# Altium PCB PCB1.PcbDoc (part 4 of 6)
Units mm, origin at the board's own origin, x right, y up, seen from the top; angles counter-clockwise.
Board outline 152.4 x 101.6 mm, 8 copper layers (L1-CU, GND, L3-CU-PWR, L4-CU, L5-CU-GND, L6-CU, L7-CU-GND, L8-CU), stack 1.524 mm thick; 274 components, 255 nets, 1291 pads, 685 vias.
Unrouted connection lines stored in the file: 236.
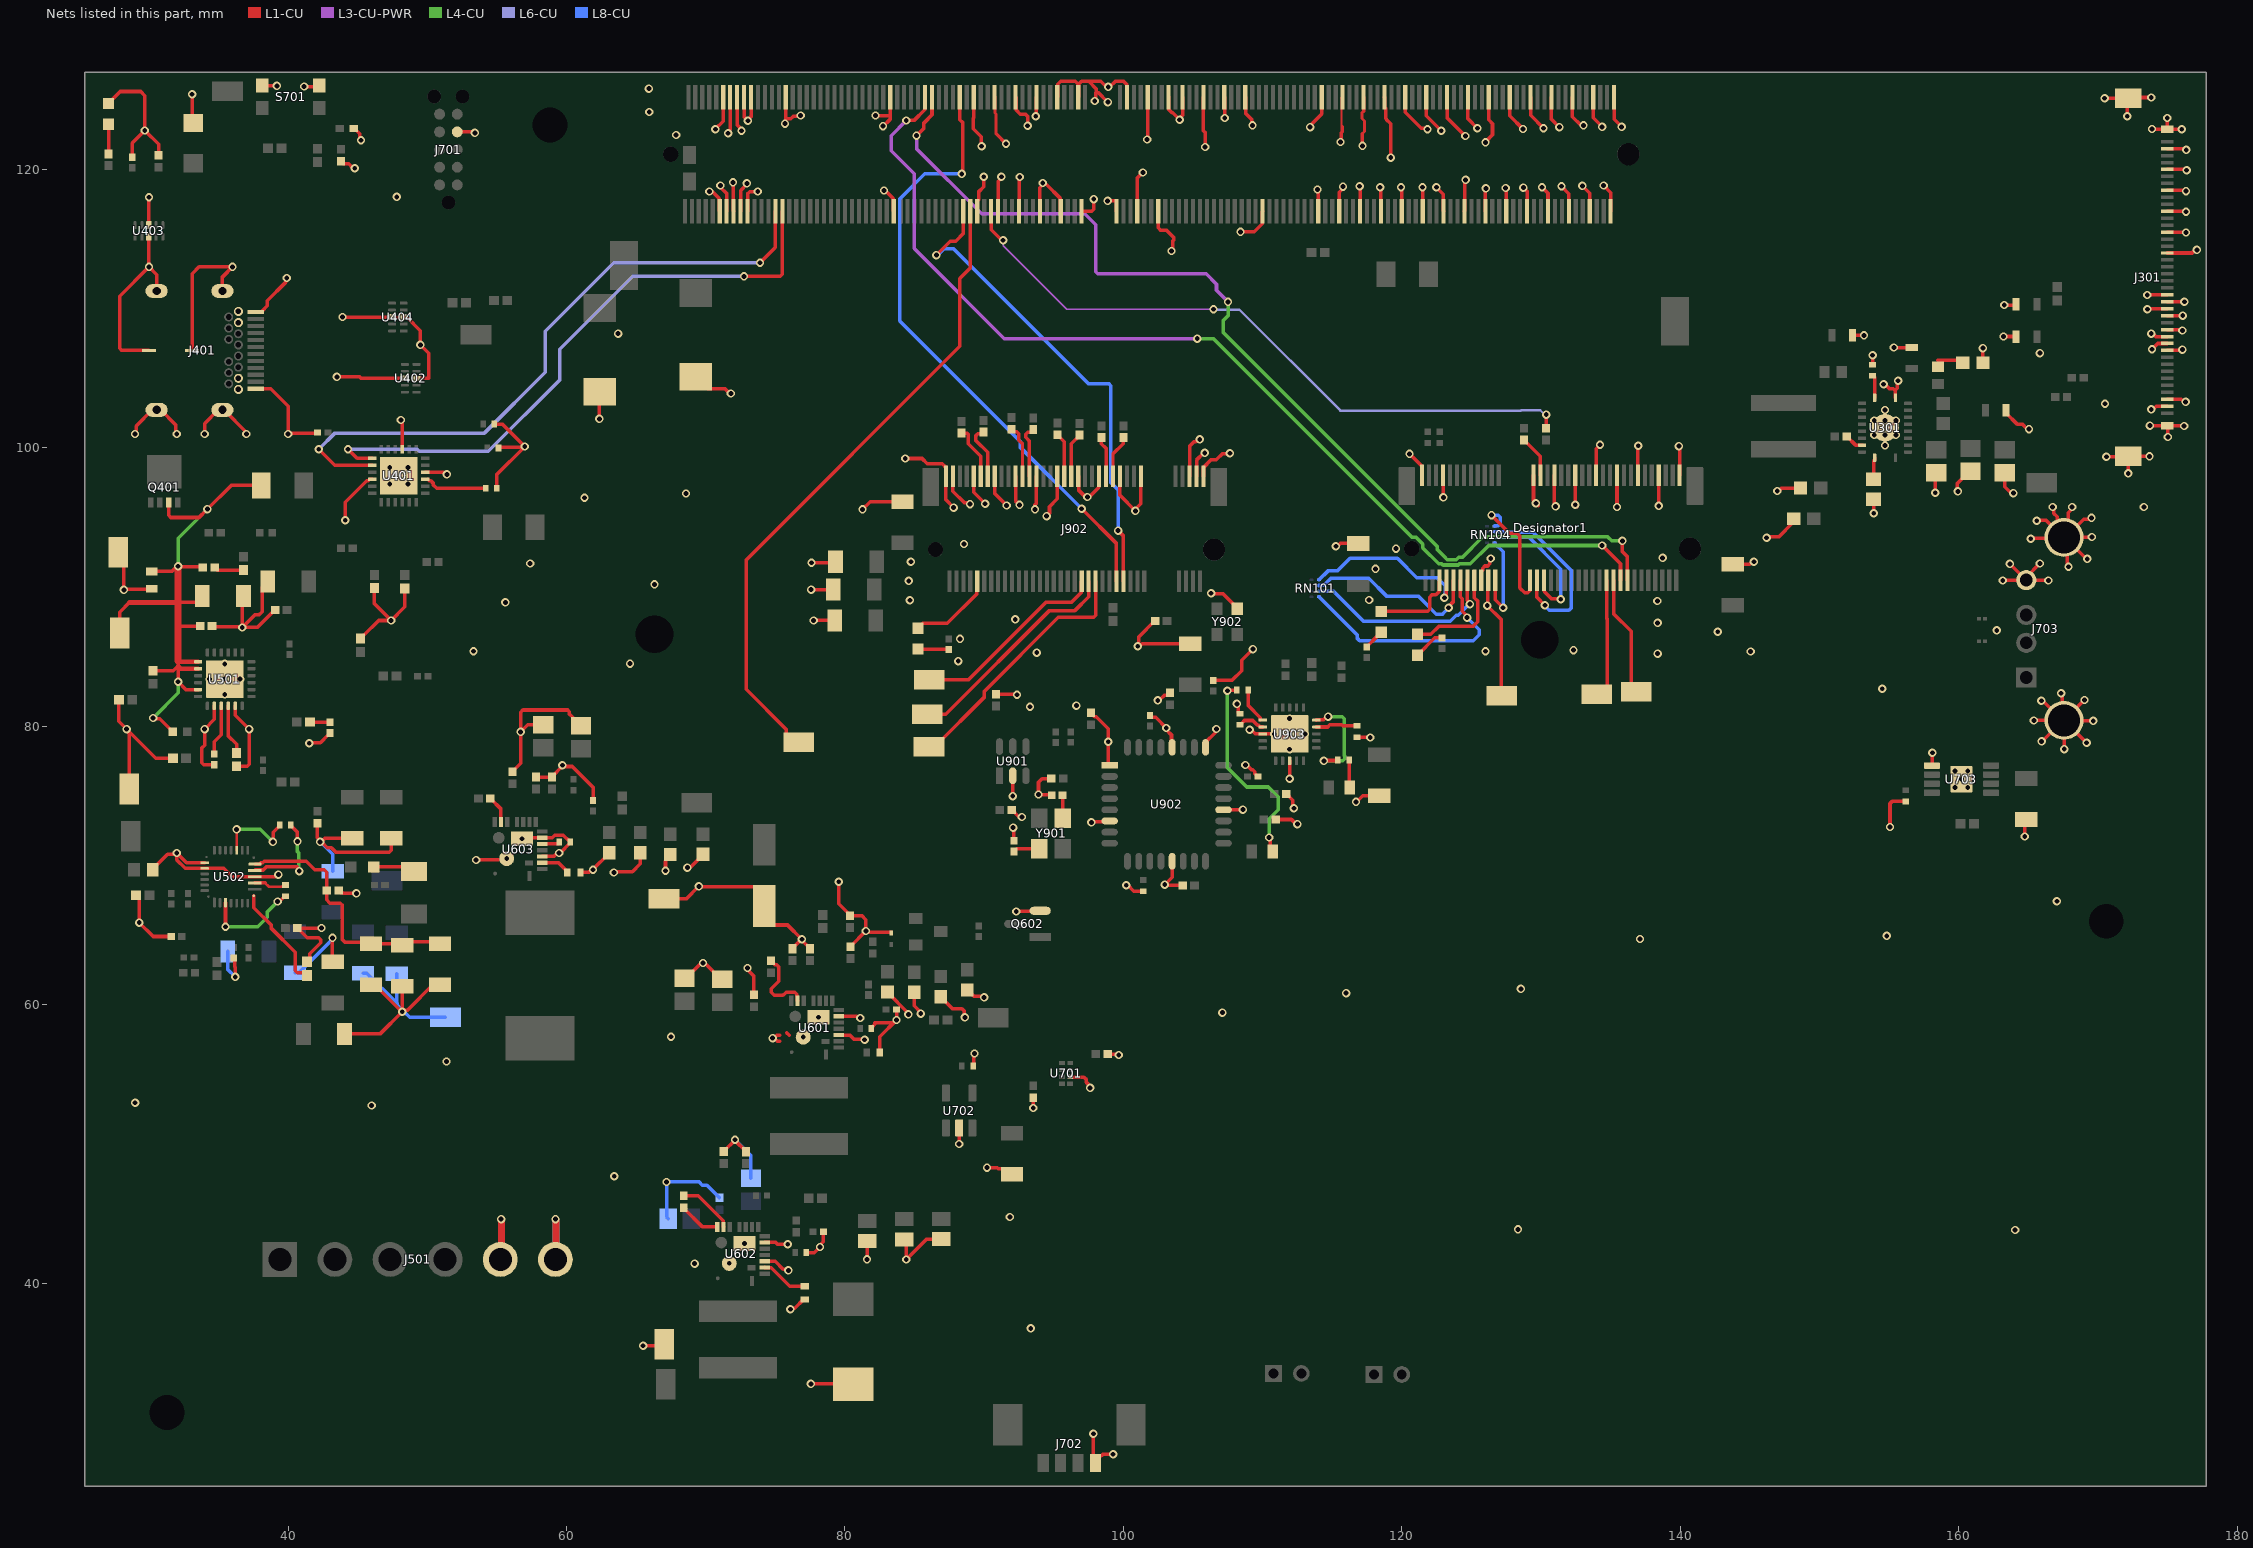
[diagram p10: the nets of this part, all layers, seen from the top]

## Via types
v1: diameter 0.6, hole 0.35, L1-CU to L8-CU, 685 vias

## Nets (pads, with @x,y where several pads share a name; then routed paths per layer and width w, separated by ;. In a path a pad name is that pad's centre, name@x,y a point inside that pad or via, vN(x,y) a via of type N, cw(c..) or ccw(c..) an arc to the next point about the centre after c; other vN are vias at no path point) (continued)
GND: C1.2 C2.2 C101.1 C104.2 C105.2 C114.2 C115.2 C116.2 C117.2 C198.2 C301.2 C302.2 C304.2 C305.1 C306.2 C307.2 C308.2 C309.2 C401.2 C402.2 C403.2 C405.2 C406.2 C501.2 C502.2 C503.2 C504.2 C505.2 C506.1 C507.2 C508.1 C509.2 C510.2 C513.1 C514.2 C515.2 C516.2 C517.2 C518.2 C519.2 C520.2 C521.2 C522.2 C523.2 C524.2 C525.2 C601.2 C602.2 C603.2 C604.2 C605.2 C606.2 C608.2 C609.2 C610.2 C611.2 C612.2 C613.2 C614.2 C615.2 C616.2 C617.2 C618.2 C619.2 C620.2 C621.2 C625.2 C626.2 C627.2 C628.2 C629.2 C630.2 C632.2 C633.1 C703.2 C706.1 C707.1 C708.2 C709.2 C710.2 C711.2 C901.2 C902.2 C903.2 C904.2 C905.2 C906.2 C907.2 C908.2 C909.2 C910.2 C913.1 C914.1 C919.2 C920.2 D40\2.2 D401.2 D402.1 D601.2 D701.2 Designator1.1 Designator1.7 Designator1.18 Designator1.33 Designator1.39 Designator1.45 Designator1.51 Designator1.57 Designator1.63 Designator1.69 Designator1.75 Designator5.1 J201.1 J301.2 J301.5 J301.8 J301.11 J301.14 J301.17 J301.23 J301.24 J301.25 J301.26 J301.28 J301.29 J301.30 J301.31 J301.38 J301.39 J301.S1 J301.S2 J301.S3 J301.S4 J401.A1 J401.A12 J401.B1 J401.B12 J401.Shell J501.5 J501.6 J701.4 J702.1 J703.4 J703.5 J703.6 J902.1 J902.3 J902.9 J902.15 J902.21 J902.27 J902.33 J902.39 J902.45 J902.51 J902.57 J902.71 J902.73 J902.75 pad.1 pad.2 pad.7 pad.8 pad.13 pad.14 pad.19 pad.20 pad.25 pad.26 pad.31 pad.32 pad.37 pad.38 pad.43 pad.44 pad.49 pad.50 pad.55 pad.56 pad.61 pad.62 pad.67 pad.68 pad.73 pad.74 pad.79 pad.80 pad.85 pad.86 pad.102 pad.107 pad.113 pad.119 pad.125 pad.129 pad.132 pad.135 pad.138 pad.141 pad.144 pad.146 pad.147 pad.152 pad.153 pad.158 pad.159 pad.164 pad.165 pad.170 pad.171 pad.176 pad.177 pad.200 pad.201 pad.231 pad.241 pad.242 pad.243 pad.244 pad.245 pad.246 pad.247 pad.248 pad.249 pad.250 Q602.2 R302.1 R304.1 R306.2 R313.1 R314.1 R401.1 R404.2 R407.2 R501.1 R502.1 R511.1 R512.2 R515.2 R522.2 R523.2 R602.1 R603.1 R604.1 R605.1 R606.1 R607.1 R608.1 R610.1 R616.1 R618.1 R903.1 R904.1 R905.1 S701.3 S701.4 TP501.1 TP503.1 TP505.1 TP604.1 U301.20 U301.21 U401.3 U401.10 U401.22 U401.25 U402.3 U402.8 U403.3 U403.8 U404.3 U404.8 U501.8 U501.11 U501.25 U502.10 U502.11 U502.27 U601.3-4-27 U601.13 U601.16 U601.25 U602.3-4-27 U602.13 U602.16 U602.25 U603.3-4-27 U603.13 U603.16 U603.25 U701.2 U702.2 U703.1 U703.9 U901.2 U902.1 U902.6 U902.13 U902.20 U902.25 U902.28 U903.3 U903.8 U903.21 Y902.2 | length 743.8
  L1-CU w0.15: pad.79@115.675,125.125 115.675,123.106 115.721,123.06
  L1-CU w0.2: pad.171@90.773,125.177 90.773,124.076 90.854,123.995 90.854,123.554 90.853,123.553 90.853,122.558 ; pad.79@115.675,125.125 pad.79@115.75,125.2 ; 117.169,122.579 117.323,122.733 117.323,123.479 117.146,123.655 117.146,124.096 117.25,124.2
  L1-CU w0.254: D402.1@27.1,124.75 27.95,125.6 29.4,125.6 29.7,125.3 v1(29.7,122.8) ; TP501.1@27.8,92.5 28.2,92.1 v1(28.2,89.8) 28.237,89.837 30.162,89.837 D401.2@30.2,89.875 ; R501.1@27.843,81.9 27.843,80.357 v1(28.4,79.8) 28.4,79.676 28.6,79.476 TP503.1@28.6,75.5 ; 28.662,79.538 30.49,77.71 R502.1@31.717,77.71 ; C406.2@28.8,120.879 28.8,121.9 v1(29.7,122.8) ; v1(29,101) 29.087,101.087 29.087,101.567 30.25,102.73 J401.Shell@30.55,102.73 30.85,102.73 31.913,101.667 31.913,101.087 v1(32,101) ; R515.2@29.082,67.86 29.091,67.86 29.3,67.651 v1(29.3,65.9) 30.3,64.9 R522.2@31.6,64.9 ; J401.Shell@30,107 28.049,107 27.9,107.149 27.9,110.9 v1(30,113) ; U403.8@30,115.165 v1(30,113) ; U403.3@30,116 v1(30,118) ; C508.1@30.275,69.7 30.275,69.75 31.338,70.813 31.913,70.813 v1(32,70.9) ; J401.Shell@30.55,111.27 30.55,112.45 v1(30,113) ; C405.2@30.7,121.029 30.7,121.8 v1(29.7,122.8) ; J401.Shell@33.1,107 33.1,112.5 33.6,113 v1(36,113) 35.28,112.28 J401.Shell@35.28,111.27 ; v1(33.1,125.4) 33.1,123.45 D40\2.2@33.2,123.35 ; U502.10@34,70.2 32.7,70.2 v1(32,70.9) ; v1(34,101) 34,101.75 34.98,102.73 J401.Shell@35.28,102.73 ; C502.2@34.529,87.2 34.579,87.15 36.65,87.15 v1(36.7,87.1) ; C504.2@34.7,77.243 33.949,77.243 33.8,77.392 33.8,78.442 34,78.642 v1(34,79.8) 34.7,80.5 U501.8@34.7,81.475 ; J401.Shell@35.394,102.73 37,101.124 v1(37,101) ; R523.2@36.101,63.35 36.174,63.276 36.174,62.719 36.2,62.693 v1(36.2,62) ; U501.11@36.2,81.475 36.2,80.8 v1(37.2,79.8) 37.2,77.274 37.051,77.125 R511.1@36.3,77.125 ; C501.2@36.789,89.36 36.7,89.27 v1(36.7,87.1) ; J401.A12@37.68,104.25 38.75,104.25 40,103 v1(40,101) 40.05,101.05 42.05,101.05 R401.1@42.1,101.1 ; J401.A1@37.68,109.75 38.13,109.75 38.153,109.773 38.153,109.864 38.5,110.211 38.5,110.57 39.813,111.883 39.813,112.113 v1(39.9,112.2) ; S701.4@38.133,126.022 38.145,126.009 v1(39.192,126.009) ; C505.2@38.525,90.4 38.127,90.002 38.127,88.227 37.9,88 37.6,88 v1(36.7,87.1) ; C503.2@39.06,88.36 39.039,88.36 37.779,87.1 v1(36.7,87.1) ; v1(39.294,69.342) 39.2,69.342 39.058,69.2 35.986,69.2 35.386,69.8 U502.11@34,69.8 32.6,69.8 32,70.4 v1(32,70.9) ; C515.2@40.657,65.5 40.66,65.503 42.389,65.503 v1(42.393,65.507) ; C515.2@40.679,65.5 41.379,64.8 42.192,64.8 42.341,64.651 42.341,64.441 41.549,63.649 41.549,63.028 C513.1@41.535,63.013 ; v1(41.148,125.959) 42.169,125.959 S701.3@42.233,126.022 ; v1(41.513,78.787) 41.557,78.831 42.321,78.831 42.847,79.357 42.867,79.357 43,79.49 C506.1@43,79.51 ; C510.2@42.1,73.043 42.1,71.994 42.3,71.794 v1(42.3,71.7) v1@42.394,71.7 ; C517.2@43.184,63.091 v1(43.184,64.8) ; v1(43.5,105.1) 45.133,105.1 45.233,105 U402.3@48.382,105 ; C514.2@43.629,68.2 43.788,68.041 43.917,68.041 43.958,68 v1(44.9,68) ; C703.2@43.79,120.58 43.79,120.559 43.949,120.4 44.348,120.4 44.656,120.091 v1(44.78,120.091) ; v1(43.9,109.4) U404.3@47.465,109.4 U404.8@48.3,109.4 48.373,109.327 48.59,109.327 49.5,108.417 v1(49.5,107.4) 50.1,106.8 50.1,105 U402.8@49.217,105 ; C516.2@44.05,57.9 46.6,57.9 v1(48.2,59.5) ; v1(44.1,94.8) 44.1,96.088 45.644,97.632 45.761,97.632 45.879,97.75 U401.10@46.05,97.75 ; C507.2@44.6,71.95 42.644,71.95 v1@42.394,71.7 ; D701.2@44.706,122.949 44.756,122.949 45.15,122.555 45.15,122.185 v1(45.237,122.098) ; R512.2@45.2,86.3 45.2,86.321 45.409,86.531 45.431,86.531 46.5,87.6 v1(47.4,87.6) ; C518.2@45.946,61.427 46.221,61.427 48.148,59.5 v1(48.2,59.5) ; R404.2@46.2,89.921 46.2,88.8 v1(47.4,87.6) ; C509.2@47.4,71.95 47.4,71.1 47.251,70.951 43.435,70.951 43.112,71.275 42.819,71.275 v1@42.394,71.7 ; v1(48.1,102) 48.1,101.893 48.2,101.793 U401.3@48.2,99.9 ; C520.2@48.2,61.325 v1(48.2,59.5) ; R407.2@48.385,89.911 48.385,88.585 v1(47.4,87.6) ; U401.22@49.85,98.25 51.156,98.25 51.306,98.1 v1(51.4,98.1) ; C522.2@50.803,61.571 50.528,61.571 48.545,59.587 48.287,59.587 v1(48.2,59.5) ; J701.4@52.149,122.702 53.345,122.702 v1(53.416,122.631) ; v1(53.5,70.4) 55.1,70.4 ; C401.2@54.8,101.7 55.4,101.7 v1(57,100.1) v1@56.948,100.048 ; C402.2@55,97.1 55,98.1 v1@56.948,100.048 ; C403.2@55.11,99.996 55.162,100.048 v1@56.948,100.048 ; v1(55.3,44.6) v1@55.32,44.58 ; J501.5@55.32,41.92 J501.5@55.34,41.9 ; C610.2@56.126,76.743 56.126,76.764 56.7,77.338 v1(56.7,79.6) ; v1(56.8,71.925) 56.875,72 U603.16@58.25,72 58.98,72 59.16,72.18 59.773,72.18 60.157,71.796 60.193,71.796 60.266,71.723 C611.2@60.266,71.673 60.266,71.623 59.538,70.894 v1@59.47,70.894 ; R607.1@57.8,76.35 R608.1@58.954,76.35 58.954,76.375 59.7,77.121 v1(59.7,77.2) 59.787,77.113 60.401,77.113 61.9,75.613 R618.1@61.9,74.675 ; U603.13@58.25,70.65 59.091,70.65 59.341,70.9 v1(59.464,70.9) ; C608.2@58.328,80.101 57.219,80.101 56.719,79.6 v1(56.7,79.6) ; v1(59.2,44.6) v1@59.25,44.55 ; J501.6@59.25,41.95 J501.6@59.3,41.9 ; C620.2@61,69.5 61.576,69.5 61.776,69.7 v1(61.9,69.7) 61.9,69.734 63.056,70.89 C626.2@63.056,70.913 ; C609.2@61.039,80.042 60.938,80.042 60.437,80.542 60.437,80.643 60.2,80.881 60.2,81.051 60.079,81.172 56.872,81.172 56.7,81 v1(56.7,79.6) ; v1(62.357,102.083) 62.357,104.021 C2.2@62.368,104.032 ; v1(63.398,69.494) 63.465,69.561 64.735,69.561 65.292,70.118 C628.2@65.292,70.913 ; v1(65.5,35.5) 66.9,35.5 J201.1@67,35.6 ; TP604.1@67,67.6 68.6,67.6 v1(69.5,68.5) 69.527,68.473 73.527,68.473 74.2,67.8 C633.1@74.2,67.1 74.2,66.4 74.873,65.727 75.873,65.727 v1(76.9,64.7) ; v1(67.107,69.621) 67.107,70.296 67.129,70.318 67.129,70.445 C630.2@67.458,70.774 ; C601.2@68.469,61.901 68.57,61.901 69.581,62.913 69.713,62.913 v1(69.8,63) 69.918,63 71.078,61.839 C602.2@71.179,61.839 ; v1(68.682,69.85) 68.748,69.916 68.939,69.916 69.8,70.777 C632.2@69.8,70.8 ; C1.2@69.279,105.109 70.147,104.241 71.383,104.241 71.712,103.911 v1(71.806,103.911) ; v1(70.256,118.415) 70.323,118.349 70.54,118.349 70.977,117.911 70.977,117.023 pad.250@71,117 ; v1(70.688,122.885) 70.688,122.912 71.25,123.474 pad.249@71.25,125.2 ; v1(71.05,118.85) 71.05,118.726 71.5,118.276 pad.248@71.5,117 ; R605.1@71.3,49.45 71.3,49.475 v1@72.1,50.275 ; v1(71.603,122.606) 71.603,122.699 71.75,122.847 pad.247@71.75,125.2 ; v1(71.958,119.075) 71.979,119.054 71.979,117.021 pad.246@72,117 ; v1(72.1,50.3) v1@72.1,50.275 ; pad.245@72.25,125.2 72.25,123.195 72.568,122.877 v1(72.568,122.784) ; pad.244@72.5,117 72.5,118.485 72.949,118.934 v1(72.949,118.999) ; pad.243@72.75,125.2 72.75,123.775 v1(73.025,123.5) 73.134,123.609 73.134,123.69 73.25,123.806 pad.241@73.25,125.2 ; R606.1@72.887,49.438 72.887,49.463 72.1,50.25 v1@72.1,50.275 ; v1(73,62.636) 73,62.513 73.447,62.065 C603.2@73.447,60.702 ; pad.242@73,117 73,118.256 73.149,118.405 73.726,118.405 v1(73.736,118.415) ; U602.13@74.237,41.575 74.981,41.575 75.552,41.004 75.845,41.004 v1(75.932,40.916) ; U602.16@74.237,42.925 75.022,42.925 75.149,42.798 v1(75.886,42.798) ; v1(74.8,57.6) v1@74.924,57.6 ; 75.313,57.373 75.151,57.373 v1@74.924,57.6 ; 75.313,57.823 75.147,57.823 v1@74.924,57.6 ; v1(75.692,123.292) 75.75,123.35 75.75,123.637 ; pad.231@75.75,125.2 75.75,123.637 ; 75.827,57.973 76,57.8 ; v1(76.073,38.125) 76.139,38.192 76.392,38.192 77.025,38.825 C617.2@77.1,38.825 ; R603.1@76.227,64.021 76.227,64.046 76.881,64.7 v1(76.9,64.7) ; v1(76.81,123.876) 76.743,123.81 76.282,123.81 76.109,123.637 75.75,123.637 ; C615.2@77.216,42.192 77.792,42.192 v1(78.2,42.6) 78.2,42.724 78.45,42.974 R616.1@78.45,43.7 ; R604.1@77.487,64.021 77.487,64.046 76.9,64.633 v1(76.9,64.7) ; v1(77.546,32.763) 80.587,32.763 Designator5.1@80.6,32.75 ; v1(77.572,89.814) 79.153,89.814 C114.2@79.16,89.821 ; v1(77.597,91.745) 79.244,91.745 C116.2@79.321,91.821 ; v1(77.749,87.605) C115.2@79.27,87.605 ; U601.13@79.55,57.823 80.351,57.823 80.67,57.504 81.383,57.504 v1(81.407,57.48) ; U601.16@79.55,59.173 80.857,59.173 80.979,59.051 v1(81.1,59.051) ; v1(79.553,68.834) 79.553,67.25 80.376,66.427 R602.1@80.376,66.405 81.195,66.405 81.5,66.1 v1(81.5,65.3) ; C604.2@80.405,64.179 80.405,64.2 81.5,65.295 v1(81.5,65.3) ; v1(81.255,95.58) 81.817,96.143 C117.2@84.125,96.143 ; v1(81.585,41.707) 81.585,43.002 C625.2@81.604,43.021 ; C606.2@81.9,58.3 81.9,58.35 82.246,58.696 ; 82.146,58.696 82.246,58.696 ; v1(82.194,123.876) 82.22,123.85 83.133,123.85 ; C605.2@82.505,56.571 82.505,57.705 v1(83.7,58.9) 83.702,58.902 83.702,59.656 R610.1@83.704,59.658 ; v1(82.728,123.114) 82.756,123.114 83.236,123.594 83.236,124.068 ; v1(82.804,118.491) 82.897,118.491 83.477,117.911 83.477,117.023 pad.200@83.5,117 ; C618.2@83.056,60.913 83.056,60.89 84.557,59.389 v1(84.557,59.309) ; pad.201@83.236,124.449 83.236,125.186 pad.201@83.25,125.2 ; 83.25,124.068 pad.201@83.25,124.356 ; D601.2@83.329,65.169 83.329,65.22 83.327,65.222 81.578,65.222 v1(81.5,65.3) ; 83.372,58.696 82.246,58.696 ; C627.2@84.258,43.138 84.4,42.996 v1(84.4,41.7) 85.856,43.156 C629.2@86.912,43.156 ; v1(84.328,99.238) 85.531,99.238 85.901,98.868 86.981,98.868 87.253,98.596 87.253,96.262 v1(87.808,95.707) v1@87.808,95.682 ; C616.2@84.968,60.887 84.968,59.924 85.446,59.447 v1(85.446,59.36) ; C619.2@86.88,60.576 86.88,60.553 87.718,59.715 88.402,59.715 88.551,59.567 88.551,59.15 v1(88.609,59.092) ; J902.3@87.753,97.971 87.753,96.88 88.584,96.049 88.889,96.049 v1(88.976,95.961) ; v1(88.2,50) U702.2@88.2,51.145 ; C621.2@88.792,61.08 88.792,61.034 89.122,60.705 89.168,60.705 89.256,60.616 89.905,60.616 v1(89.992,60.528) ; C709.2@89.2,55.6 89.25,55.65 89.25,56.45 v1(89.3,56.5) ; pad.177@89.25,125.2 89.25,123.702 89.216,123.668 89.216,122.918 89.787,122.347 89.787,121.696 v1(89.817,121.666) ; J902.9@89.253,97.971 89.253,96.802 v1(90.068,95.987) ; pad.176@89.5,117 89.5,117.725 89.593,117.818 89.593,118.383 89.967,118.757 v1(89.967,119.482) ; v1(90.2,48.3) 90.937,48.3 91.014,48.223 91.602,48.223 C708.2@92,47.825 ; pad.171@90.75,125.2 pad.171@90.773,125.177 ; J902.15@90.753,97.971 90.753,96.723 v1(91.614,95.862) ; 90.853,122.558 v1(91.567,121.844) ; C910.2@90.856,82.315 90.878,82.293 92.332,82.293 v1(92.354,82.271) ; pad.170@91,117 91,119.165 91.237,119.402 v1(91.237,119.482) ; C908.2@91.973,74.002 91.994,74.002 92.448,73.548 92.644,73.548 v1(92.71,73.482) ; v1(92.05,74.981) U901.2@92.05,76.445 ; v1(92.075,72.72) 92.111,72.685 92.111,71.815 C913.1@92.146,71.779 ; pad.165@92.25,125.2 92.315,125.135 92.315,124.246 92.597,123.965 92.966,123.965 93.115,123.816 93.115,123.14 v1(93.116,123.139) ; J902.21@92.253,97.971 92.253,96.19 v1(92.532,95.91) ; v1(92.3,66.7) 92.325,66.725 93.995,66.725 Q602.2@94.02,66.75 ; pad.164@92.5,117 92.523,117.023 92.523,119.422 v1(92.558,119.456) ; v1(93.523,52.578) C707.1@93.523,53.315 ; v1(93.65,95.58) 93.65,95.91 93.753,96.013 J902.27@93.753,97.971 ; v1(93.705,123.824) 93.727,123.846 93.727,125.177 pad.159@93.75,125.2 ; pad.158@94,117 94,118.695 94.206,118.901 v1(94.206,119.024) 94.293,118.937 94.451,118.937 95.477,117.911 95.477,117.023 pad.152@95.5,117 ; v1(94.488,95.098) 94.691,95.301 94.691,95.783 95.253,96.345 J902.33@95.253,97.971 ; C903.2@94.83,76.236 94.155,76.236 93.9,75.981 v1(93.9,75.1) 93.925,75.075 94.822,75.075 C914.1@94.847,75.05 ; pad.153@95.25,125.2 95.273,125.223 95.273,126.111 95.494,126.332 96.552,126.332 96.773,126.111 ; U701.2@96.18,54.817 96.195,54.803 97.168,54.803 97.345,54.625 97.345,54.417 97.612,54.15 v1(97.612,54.026) ; pad.147@96.75,125.2 96.773,125.223 96.773,126.111 ; J902.39@96.753,97.971 96.776,97.948 96.776,96.976 97.282,96.469 97.539,96.469 98.23,97.16 98.23,97.948 J902.45@98.253,97.971 ; pad.146@97,117 97.717,117 97.866,117.149 v1(97.866,117.866) ; C907.2@97.655,80.981 97.655,80.96 97.926,80.689 98.048,80.689 98.908,79.829 v1(98.908,78.892) 98.908,77.301 U902.1@99.009,77.2 ; v1(97.7,73.1) 97.756,73.156 98.964,73.156 U902.6@99.009,73.2 ; v1(97.841,29.185) 97.841,27.231 98.216,27.606 98.421,27.606 98.527,27.711 v1(99.263,27.711) ; v1(97.942,124.917) 98.03,125.005 98.03,125.499 98.058,125.527 ; v1(98.867,117.748) 99.477,117.748 99.5,117.725 pad.144@99.5,117 ; C706.1@98.876,56.464 98.914,56.426 99.632,56.426 v1(99.67,56.388) ; v1(98.882,124.841) 98.196,125.527 98.058,125.527 ; J902.51@99.753,97.971 99.753,96.589 v1(100.863,95.479) 100.863,95.602 101.253,95.991 J902.57@101.253,97.971 ; v1(100.203,68.58) 100.327,68.58 100.746,68.161 C904.2@101.426,68.161 ; pad.141@100.25,125.2 100.227,125.223 100.227,126.111 100.006,126.332 99.43,126.332 99.031,125.933 v1(98.908,125.933) 98.784,125.933 98.385,126.332 97.506,126.332 ; pad.138@101,117 101,119.39 v1(101.397,119.786) ; v1(101.702,122.149) 101.75,122.197 pad.135@101.75,125.2 ; R905.1@101.905,80.766 101.905,80.741 102.003,80.643 102.313,80.643 v1(103.073,79.883) 103.073,79.759 103.456,79.377 103.456,78.536 U902.28@103.5,78.491 ; C101.1@102.273,87.579 102.251,87.579 101.116,86.444 101.116,85.837 v1(101.029,85.75) 101.153,85.75 101.341,85.938 C901.2@104.797,85.938 ; v1(102.464,81.864) 102.587,81.864 102.951,82.228 103.186,82.228 103.345,82.387 C902.2@103.345,82.409 ; pad.132@102.5,117 102.5,115.813 102.692,115.621 103.121,115.621 103.603,115.139 103.603,114.928 103.542,114.867 103.542,114.235 v1(103.454,114.148) ; pad.129@103.25,125.2 103.273,125.177 103.273,124.289 103.494,124.068 103.541,124.068 v1(104.038,123.571) 104.038,123.695 104.25,123.906 pad.125@104.25,125.2 ; U902.13@103.5,70.309 103.5,69.159 v1(102.972,68.631) 103.01,68.593 104.21,68.593 C909.2@104.248,68.555 ; J902.71@104.753,97.971 104.753,100.122 105.088,100.457 105.21,100.457 105.362,100.609 v1(105.486,100.609) ; J902.73@105.253,97.971 105.253,99.127 105.77,99.644 v1(105.842,99.644) ; pad.119@105.75,125.2 105.75,123.998 105.736,123.984 105.736,122.788 105.867,122.657 105.867,121.641 v1@105.842,121.615 ; J902.75@105.753,97.971 105.753,98.596 106.293,99.136 106.68,99.136 107.137,99.593 107.62,99.593 v1(107.645,99.619) ; U902.25@105.9,78.491 105.9,78.842 106.59,79.532 106.59,79.719 v1(106.677,79.807) ; v1(106.299,89.56) 106.351,89.509 107.163,89.509 108.176,88.495 Y902.2@108.176,88.445 ; R903.1@106.451,83.306 107.806,83.306 108.495,83.995 108.495,84.746 v1(109.296,85.547) ; U902.20@107.191,74 107.199,74.008 108.577,74.008 v1(108.585,74.016) ; pad.113@107.25,125.2 107.265,125.185 107.265,123.713 v1(107.28,123.698) ; v1(108.153,81.61) 108.153,81.503 108.259,81.397 108.259,80.972 108.282,80.949 C198.2@108.332,80.949 ; v1(108.407,115.519) 109.408,115.519 109.977,116.089 109.977,116.977 pad.102@110,117 ; pad.107@108.75,125.2 108.773,125.177 108.773,124.046 109.205,123.615 109.205,123.231 v1(109.271,123.165) ; v1(108.763,77.216) 108.856,77.216 109.198,76.874 109.276,76.874 109.427,76.723 109.427,76.61 109.645,76.392 R904.1@109.67,76.392 ; v1(109.068,79.756) 109.175,79.756 109.473,79.458 110.006,79.458 U903.3@110.013,79.451 v1(110.838,79.451) ; C905.2@110.934,73.307 112.07,73.307 112.403,72.974 v1(112.497,72.974) ; C906.2@111.703,75.133 111.724,75.133 112.176,74.681 112.176,74.183 v1(112.243,74.117) ; U903.8@111.938,77.526 111.94,77.524 111.94,76.236 v1(111.943,76.233) ; v1(111.938,80.551) v1(113.038,79.451) ; v1(113.411,123.038) 113.477,123.104 113.477,123.214 114.25,123.987 pad.85@114.25,125.2 ; v1@113.894,118.618 v1(113.947,118.565) 114,118.512 pad.86@114,117 ; v1(115.265,92.939) 115.389,92.939 115.585,93.135 C104.2@116.874,93.135 ; pad.80@115.5,117 115.5,118.373 115.773,118.647 v1(115.773,118.77) ; v1(115.595,121.971) 115.662,122.037 115.662,122.639 115.721,122.698 115.721,123.06 ; v1(116.713,74.574) 116.774,74.574 117.2,75 C920.2@118.381,75 ; C919.2@116.764,79.229 116.78,79.213 117.713,79.213 v1(117.729,79.197) ; v1@116.942,118.821 v1(116.971,118.792) 117,118.763 pad.74@117,117 ; 117.169,122.579 117.169,121.693 v1(117.17,121.691) ; 117.25,124.2 pad.73@117.25,125.2 ; v1(118.44,118.72) 118.5,118.66 pad.68@118.5,117 ; pad.67@118.75,125.2 118.773,125.177 118.773,124.452 118.843,124.382 118.843,123.677 118.89,123.63 118.89,123.594 119.202,123.282 v1(119.202,120.853) ; v1(119.939,118.72) 120,118.658 pad.62@120,117 ; pad.61@120.25,125.2 120.25,124.098 121.386,122.962 121.767,122.962 v1(121.844,122.885) ; v1@120.523,99.593 121.458,98.659 Designator1.1@121.458,98.034 ; v1(121.488,118.72) 121.5,118.708 pad.56@121.5,117 ; pad.55@121.75,125.2 121.75,123.868 v1(122.834,122.784) ; v1(122.479,118.72) 122.977,118.221 122.977,117.023 pad.50@123,117 ; Designator1.7@122.958,98.034 122.972,98.019 122.972,96.458 v1(122.987,96.444) ; pad.49@123.25,125.2 123.25,123.714 v1(124.562,122.403) ; pad.44@124.5,117 124.523,117.023 124.523,119.189 v1(124.587,119.253) ; pad.43@124.75,125.2 124.75,123.637 v1(125.425,122.961) ; Designator1.18@125.708,90.484 125.708,91.109 125.801,91.202 125.801,91.352 125.964,91.516 126.171,91.516 126.324,91.669 126.324,91.983 v1(126.39,92.05) ; pad.38@126,117 126,118.609 v1(126.035,118.643) ; v1(126.009,121.945) 126.009,121.978 126.514,122.483 126.514,123.295 126.25,123.559 pad.37@126.25,125.2 ; v1(127.457,118.669) 127.5,118.626 pad.32@127.5,117 ; pad.31@127.75,125.2 127.75,123.862 v1(128.702,122.911) ; v1(128.727,118.694) 129,118.421 pad.26@129,117 ; pad.25@129.25,125.2 129.25,123.886 v1(130.175,122.961) ; Designator1.33@129.458,98.034 129.458,96.196 v1@129.794,95.86 ; v1(130.073,118.72) 130.5,118.293 pad.20@130.5,117 ; pad.19@130.75,125.2 130.75,123.606 v1(131.318,123.038) ; Designator1.39@130.958,98.034 130.958,95.89 v1@131.14,95.707 ; v1(131.47,118.796) 132,118.266 pad.14@132,117 ; pad.13@132.25,125.2 132.25,123.782 v1@132.842,123.19 ; Designator1.45@132.458,98.034 v1(132.458,95.914) v1@132.588,95.783 ; v1(132.969,118.821) 133.5,118.29 pad.8@133.5,117 ; pad.7@133.75,125.2 133.75,123.704 v1(134.391,123.063) ; Designator1.51@133.958,98.034 133.958,99.947 v1(134.239,100.228) ; v1(134.493,118.847) 135,118.34 pad.2@135,117 ; pad.1@135.25,125.2 135.25,123.601 v1(135.788,123.063) ; Designator1.57@135.458,98.034 v1(135.458,95.759) v1@135.484,95.733 ; Designator1.63@136.958,98.034 136.958,100.128 v1(136.982,100.152) ; v1@138.455,95.834 v1(138.458,95.836) Designator1.69@138.458,98.034 ; v1(139.903,100.127) 139.958,100.072 Designator1.75@139.958,98.034 ; C105.2@143.764,91.643 144.986,91.643 145.164,91.821 v1(145.288,91.821) ; v1(146.202,93.548) 146.256,93.602 147.066,93.602 C302.2@148.121,94.657 ; v1(146.964,96.901) 147.088,96.901 147.302,97.115 C301.2@148.64,97.115 ; C302.2@148.133,94.646 C302.2@148.257,94.77 ; R302.1@152.388,108.102 152.41,108.081 v1(153.205,108.081) ; C304.2@153.823,105.973 v1(153.822,106.655) ; C305.1@153.885,96.303 153.899,96.289 v1(153.899,95.301) ; v1(154.61,104.572) 154.703,104.572 155.029,104.246 155.306,104.246 155.455,104.097 ; v1(155.067,72.771) 155.067,74.451 155.216,74.6 C710.2@156.2,74.6 ; v1(155.346,107.213) 155.352,107.207 156.61,107.207 R304.1@156.616,107.201 ; U301.20@155.461,103.598 155.455,103.604 155.455,104.097 ; v1(155.651,104.826) 155.585,104.76 155.585,104.285 155.455,104.155 155.455,104.097 ; U703.1@158.075,77.175 158.115,77.215 v1(158.115,78.105) ; v1(158.318,96.774) 158.318,98.133 C307.2@158.394,98.209 ; v1(159.944,96.876) 159.89,96.929 159.89,97.446 160.75,98.306 C309.2@160.851,98.306 ; v1(161.742,107.169) 161.742,106.115 C306.2@161.749,106.108 ; v1(163.17,90.475) 163.182,90.487 164.843,90.487 J703.4@164.856,90.5 ; v1(163.22,108.001) 164.096,108.001 R314.1@164.121,107.975 ; v1(163.271,110.261) 164.067,110.261 R313.1@164.113,110.307 ; C308.2@163.307,98.217 163.307,97.209 163.701,96.815 163.865,96.815 v1(163.932,96.749) ; R306.2@163.412,102.692 163.412,102.492 164.193,101.711 164.561,101.711 164.925,101.346 v1(165.049,101.346) ; v1(163.678,91.669) 163.683,91.669 J703.4@164.851,90.5 ; v1(164.744,72.085) 164.744,73.203 C711.2@164.846,73.304 ; J703.4@164.856,90.432 J703.4@164.856,90.5 ; v1(165.176,93.472) 165.225,93.521 166.942,93.521 167.005,93.584 167.552,93.584 J703.6@167.566,93.57 ; v1(165.405,80.416) 165.412,80.423 167.559,80.423 J703.5@167.566,80.43 ; v1(165.608,94.767) 165.64,94.8 166.277,94.8 167.005,94.072 J703.6@167.005,93.57 ; v1(165.837,91.697) 164.856,90.717 J703.4@164.856,90.5 ; v1(165.938,81.839) 166.048,81.839 167.347,80.54 J703.5@167.347,80.43 ; v1(165.964,78.918) 166.009,78.918 J703.5@167.434,80.343 ; v1(166.446,90.475) 166.434,90.487 164.869,90.487 J703.4@164.856,90.5 ; v1(166.751,95.758) 166.838,95.671 166.838,95.288 167.079,95.048 167.079,94.541 167.566,94.054 J703.6@167.566,93.57 ; v1(167.361,82.372) 167.448,82.285 J703.5@167.448,80.548 ; v1(167.589,78.359) 167.578,78.371 167.578,80.418 J703.5@167.566,80.43 ; J703.5@167.635,80.488 167.635,80.494 169.031,81.89 v1(169.037,81.89) ; v1(167.894,91.465) 167.807,91.553 167.807,93.329 J703.6@167.566,93.57 ; J703.6@167.941,93.945 167.865,94.021 167.865,95.351 168.148,95.634 v1(168.148,95.758) ; J703.6@167.997,93.889 168.991,94.883 169.458,94.883 v1(169.545,94.971) ; J703.6@168.206,93.57 168.206,92.995 169.176,92.024 v1(169.24,92.024) ; J703.6@168.206,93.584 169.556,93.584 v1(169.57,93.599) ; v1(169.189,78.816) 169.185,78.816 167.571,80.43 J703.5@167.566,80.43 ; v1(169.672,80.391) 169.653,80.41 167.586,80.41 J703.5@167.566,80.43 ; v1(170.485,125.12) 172.16,125.12 J301.S2@172.18,125.1 ; v1(170.612,99.365) 172.145,99.365 J301.S4@172.18,99.4 ; v1(172.11,123.825) 172.11,125.03 J301.S2@172.18,125.1 ; v1(172.187,98.171) 172.187,99.393 J301.S4@172.18,99.4 ; v1@173.533,110.973 173.56,111 J301.23@175,111 ; v1(173.558,109.957) 173.602,110 J301.25@175,110 ; v1(173.711,99.39) 172.19,99.39 J301.S4@172.18,99.4 ; v1(173.736,101.6) J301.S3@175,101.6 ; v1(173.838,102.768) 173.961,102.768 174.193,103 J301.39@175,103 ; v1(173.838,108.204) 173.961,108.204 174.165,108 J301.29@175,108 ; v1(173.838,125.171) 172.251,125.171 J301.S2@172.18,125.1 ; v1(173.888,107.086) 174.302,107.5 J301.30@175,107.5 ; v1(173.888,122.911) 173.894,122.905 174.995,122.905 J301.S1@175,122.9 ; v1(174.981,123.698) 174.981,122.919 J301.S1@175,122.9 ; J301.38@175,103.5 175.979,103.5 176.178,103.302 v1(176.301,103.302) ; J301.31@175,107 175.002,107.002 176.014,107.002 v1(176.073,107.061) ; J301.28@175,108.5 175.002,108.498 176.007,108.498 v1(176.073,108.433) ; J301.26@175,109.5 176.047,109.5 176.149,109.499 v1@176.174,109.474 ; J301.24@175,110.5 v1(176.215,110.5) v1@176.225,110.49 ; J301.17@175,114 176.767,114 176.99,114.224 v1(177.114,114.224) ; J301.14@175,115.5 176.295,115.5 v1(176.327,115.468) ; J301.11@175,117 176.294,117 v1(176.327,116.967) ; J301.8@175,118.5 176.267,118.5 v1(176.327,118.44) ; J301.5@175,120 176.316,120 v1@176.428,119.888 ; J301.2@175,121.5 176.264,121.5 v1(176.352,121.412) ; v1(175.031,100.787) J301.S3@175.031,101.452 ; J301.S3@175.148,101.452 175.283,101.587 176.187,101.587 v1(176.2,101.575) ; v1(176.022,122.885) 176.015,122.893 175.007,122.893 J301.S1@175,122.9 ; 96.773,126.111 96.994,126.332 97.506,126.332 ; 97.506,126.332 98.058,125.781 98.058,125.527 ; J703.4@164.851,90.5 J703.4@164.856,90.5 ; J703.4@164.851,90.5 J703.4@164.856,90.5
  L1-CU w0.5: J501.5@55.32,41.92 v1@55.32,44.58 ; J501.6@59.25,41.95 v1@59.25,44.55
  L8-CU w0.254: C524.2@35.671,63.827 35.671,62.529 v1(36.2,62) ; C521.2@40.5,62.3 40.775,62.3 v1@43.184,64.709 ; v1(42.3,71.7) 43.2,70.8 C519.2@43.2,69.6 ; C523.2@45.381,62.272 45.656,62.272 47.8,60.128 ; C525.2@47.8,62.225 47.8,60.128 ; 47.852,60.076 47.8,60.128 ; TP505.1@51.3,59.1 48.724,59.1 48.324,59.5 v1(48.2,59.5) 48.2,59.624 47.8,60.024 47.8,60.128 ; v1(55.3,44.6) v1@55.32,44.58 ; J501.5@55.32,41.92 J501.5@55.34,41.9 ; v1(59.2,44.6) v1@59.25,44.55 ; J501.6@59.25,41.95 J501.6@59.3,41.9 ; C612.2@67.307,44.629 67.183,44.754 v1(67.183,47.269) 69.52,47.269 69.748,47.041 70.084,47.041 70.977,46.148 C614.2@70.977,46.126 ; v1(72.1,50.3) 73.245,49.155 C613.2@73.245,47.521
  L8-CU w0.5: J501.5@55.32,41.92 v1@55.32,44.58 ; J501.6@59.25,41.95 v1@59.25,44.55
  other v1: 93.345,36.754 69.2,41.4 71.687,41.425 72.787,42.85 164.059,43.815 128.346,43.866 91.846,44.755 63.424,47.676 45.999,52.756 29.007,52.959 51.375,55.925 77,57.673 67.5,57.7 78.1,59.098 107.112,59.436 116.002,60.833 128.549,61.138 137.109,64.719 154.838,64.948 167.056,67.437 55.7,70.5 159.75,75.6 160.65,75.6 160.2,76.2 159.75,76.8 160.65,76.8 111.938,78.351 111.938,79.451 93.294,81.407 96.622,81.483 35.45,82.287 154.508,82.702 34.35,83.387 35.45,83.387 36.55,83.387 35.45,84.487 64.557,84.503 88.138,84.684 138.379,85.217 93.777,85.293 145.059,85.369 53.315,85.395 126.009,85.395 132.334,85.471 88.265,86.284 142.697,86.792 162.738,86.893 138.379,87.427 92.227,87.681 55.601,88.9 138.354,89.002 84.658,89.052 117.653,89.078 66.319,90.195 84.582,90.449 118.11,91.313 57.379,91.694 84.734,91.821 138.735,92.1 119.583,92.761 88.544,93.091 173.304,95.758 131.049,95.799 129.626,96.028 61.29,96.418 97.411,96.469 68.58,96.723 47.3,97.4 48.6,97.4 47.3,98.6 48.6,98.6 120.548,99.568 154.711,100.173 153.936,100.923 154.711,100.923 155.486,100.923 153.936,101.973 154.711,101.973 155.486,101.973 154.711,102.723 170.51,103.175 165.837,106.807 63.703,108.204 176.098,109.499 173.547,110.986 47.803,118.034 176.372,119.944 105.867,121.615 67.869,122.479 133.045,123.165 65.938,124.13 65.913,125.806
I2C_SCL_PD: pad.232 U401.7 | length 44.4
  L1-CU w0.254: v1(44.3,99.9) 44.95,99.25 U401.7@46.05,99.25 ; v1(72.746,112.319) 75.351,112.319 75.5,112.468 pad.232@75.5,117
  L6-CU w0.254: v1(44.3,99.9) 49.267,99.9 49.418,99.749 54.385,99.749 59.512,104.877 59.512,107.086 64.745,112.319 v1(72.746,112.319)
I2C_SDA_PD: pad.234 U401.8 | length 47.5
  L1-CU w0.254: v1(42.2,99.9) 43.35,98.75 U401.8@46.05,98.75 ; v1(73.9,113.3) 75,114.4 pad.234@75,117
  L6-CU w0.254: v1(42.2,99.9) 43.367,101.067 54.102,101.067 58.471,105.435 58.471,108.382 63.389,113.3 v1(73.9,113.3)
ILIM: R511.2 U501.10 | length 3.6
  L1-CU w0.254: U501.10@35.7,81.475 35.7,79.3 36.3,78.7 R511.2@36.3,78.075
IMON: C506.2 R507.1 | length 1.4
  L1-CU w0.254: R507.1@41.575,80.3 41.58,80.295 42.995,80.295 C506.2@43,80.29
INL+: C911.2 U903.1 | length 2.5
  L1-CU w0.254: C911.2@108.953,82.601 108.953,81.511 109.84,80.624 U903.1@109.84,80.458
INR+: C912.2 U903.15 | length 7.6
  L1-CU w0.254: U903.15@113.863,80.451 113.87,80.458 114.345,80.458 114.583,80.696 v1(114.706,80.696) ; v1(114.402,77.521) 114.426,77.545 115.388,77.545 C912.2@115.412,77.569
  L4-CU w0.254: v1(114.402,77.521) 115.748,77.521 115.897,77.67 115.897,77.88 115.875,77.902 115.875,80.547 115.726,80.696 v1(114.706,80.696)
INTO_TPS: C404.1 C501.1 C502.1 D401.1 Q401.3 R403.2 R503.2 R504.2 TP500.1 U501.1 U501.2 U501.5 | length 47.2
  L1-CU w0.254: TP500.1@27.9,86.7 27.9,88.2 28.6,88.9 ; v1(30.3,80.6) 30.366,80.534 30.766,80.534 R504.2@31.7,79.6 ; R503.2@30.3,84 31.751,84 32.1,84.349 ; D401.1@30.3,91.225 D401.1@30.2,91.125 31.631,91.125 32.006,91.5 v1(32.1,91.5) 32.15,91.45 33.821,91.45 C404.1@33.871,91.4 ; Q401.3@31.425,96.075 31.425,95.149 31.574,95 33.6,95 v1(34.2,95.6) 35.9,97.3 R403.2@38.075,97.3 ; 32.1,87.2 C502.1@33.671,87.2 ; 32.1,88.9 33.441,88.9 33.839,89.298 C501.1@33.839,89.36 ; 32.163,84.637 32.1,84.7 32.1,84.349 ; U501.5@33.537,82.637 32.663,82.637 v1(32.1,83.2) 32.1,84.349
  L1-CU w0.3: 32.1,84.349 32.311,84.138
  L1-CU w0.35: 28.6,88.9 32.1,88.9 ; 32.163,84.637 U501.1@33.537,84.637 ; 32.311,84.138 U501.2@33.537,84.138
  L1-CU w0.5: 32.1,84.7 32.1,87.2 32.1,88.9 v1(32.1,91.5)
  L4-CU w0.254: v1(30.3,80.6) 32.1,82.4 v1(32.1,83.2) ; v1(32.1,91.5) 32.1,93.5 v1(34.2,95.6)
LED1#: D102.1 Designator1.6 | length 6.1
  L1-CU w0.254: D102.1@118.523,88.26 121.847,88.26 121.996,88.409 121.996,89.281 122.167,89.452 122.451,89.452 122.685,89.686 122.685,90.461 Designator1.6@122.708,90.484
LED2#: D103.1 Designator1.16 | length 7.8
  L1-CU w0.254: D103.1@121.13,86.609 122.087,86.609 122.651,87.173 125.099,87.173 125.445,87.519 125.445,89.004 125.208,89.241 Designator1.16@125.208,90.484
M2_E_ALERT#: 
M2_E_I2C_CLK: Designator1.60 pad.189 | length 75
  L1-CU w0.254: v1(85.141,122.428) 85.674,122.961 85.674,123.342 86.25,123.918 pad.189@86.25,125.2 ; v1(135.839,93.32) 135.839,92.558 136.208,92.189 Designator1.60@136.208,90.484
  L3-CU-PWR w0.254: v1(85.141,122.428) 85.141,121.488 89.814,116.815 97.231,116.815 98.019,116.027 98.019,112.645 98.167,112.497 105.943,112.497 106.687,111.753 106.687,111.321 v1(107.518,110.49)
  L4-CU w0.254: v1(107.518,110.49) 107.518,109.488 107.188,109.158 107.188,108.28 122.53,92.939 122.53,92.71 123.038,92.202 123.038,92.198 123.266,91.97 123.901,91.97 124.082,92.151 124.358,92.151 125.781,93.574 126.136,93.574 126.165,93.602 134.785,93.602 135.068,93.32 v1(135.839,93.32)
M2_E_I2C_DAT: Designator1.58 pad.191 | length 75.5
  L1-CU w0.254: v1(84.404,123.52) 84.959,123.52 85.727,124.289 85.727,125.177 pad.191@85.75,125.2 ; v1(134.391,92.989) 135.708,91.673 Designator1.58@135.708,90.484
  L3-CU-PWR w0.254: v1(84.404,123.52) 83.312,122.428 83.312,121.336 84.963,119.685 84.963,114.325 91.44,107.848 v1(105.308,107.848)
  L4-CU w0.254: v1(105.308,107.848) 106.477,107.848 120.759,93.566 121.042,93.566 121.515,93.093 121.515,92.811 122.657,91.669 122.879,91.669 122.961,91.586 124.06,91.586 124.142,91.669 124.917,91.669 126.238,92.989 v1(134.391,92.989)
M2_E_PCM_CLK: Designator1.8 RN101.1 | length 12.7
  L1-CU w0.254: v1(123.056,89.232) 123.056,89.34 123.185,89.468 123.185,90.461 Designator1.8@123.208,90.484
  L8-CU w0.254: RN101.1@114.052,90.516 114.696,91.161 115.367,91.161 116.281,92.075 119.685,92.075 121.082,90.678 122.53,90.678 123.114,90.094 123.114,89.29 v1(123.056,89.232)
M2_E_PCM_IN: Designator1.12 RN101.4 | length 17.6
  L1-CU w0.254: Designator1.12@124.208,90.484 124.208,89.296 124.331,89.173 124.331,88.273 124.689,87.915 v1(124.689,87.808)
  L8-CU w0.254: RN101.4@114.052,89.316 114.052,89.3 116.815,86.536 116.815,86.306 116.963,86.157 125.12,86.157 125.552,86.589 125.552,86.944 v1(124.689,87.808)
M2_E_PCM_OUT: Designator1.14 RN101.3 | length 14
  L1-CU w0.254: Designator1.14@124.708,90.484 124.715,90.477 124.715,89.04 124.888,88.867 v1(124.888,88.773)
  L8-CU w0.254: RN101.3@114.052,89.716 115.084,89.716 117.246,87.554 123.469,87.554 123.901,87.986 124.043,87.986 124.831,88.773 v1(124.888,88.773)
M2_E_PCM_SYNC: Designator1.10 RN101.2 | length 12.9
  L1-CU w0.254: v1(123.365,88.517) 123.365,88.624 123.708,88.966 Designator1.10@123.708,90.484
  L8-CU w0.254: RN101.2@114.052,90.116 114.068,90.132 114.414,90.132 114.91,90.627 117.627,90.627 118.897,89.357 121.183,89.357 122.479,88.062 122.936,88.062 122.936,88.087 v1(123.365,88.517)
M2_E_UART_CTS: Designator1.34 RN104.2 | length 13.5
  L1-CU w0.254: Designator1.34@129.708,90.484 129.708,89.27 130.277,88.701 v1(130.277,88.697)
  L8-CU w0.254: RN104.2@126.661,93.974 127.495,93.974 127.52,93.949 129.419,93.949 132.156,91.211 132.156,88.49 132.007,88.341 130.598,88.341 130.277,88.663 v1(130.277,88.697)
M2_E_UART_RTS: Designator1.36 RN104.3 | length 10.1
  L1-CU w0.254: Designator1.36@130.208,90.484 130.231,90.461 130.231,89.686 130.739,89.178 131.37,89.178 v1(131.42,89.129)
  L8-CU w0.254: RN104.3@126.661,93.574 127.352,93.574 127.361,93.565 129.143,93.565 131.42,91.288 v1(131.42,89.129)
M2_E_UART_RXD: Designator1.22 RN104.4 | length 7.1
  L1-CU w0.254: Designator1.22@126.708,90.484 126.708,89.091 v1(127.279,88.519)
  L8-CU w0.254: RN104.4@126.661,93.174 126.661,93.157 127.279,92.539 v1(127.279,88.519)
M2_E_UART_TXD: Designator1.32 RN104.1 | length 9.7
  L1-CU w0.254: v1(126.441,95.174) 127.737,93.878 128.274,93.878 128.48,93.672 128.48,89.937 128.825,89.591 129.036,89.591 129.185,89.74 129.185,90.461 Designator1.32@129.208,90.484
  L8-CU w0.254: v1(126.441,95.174) 126.927,95.174 127.076,95.025 127.076,94.558 126.927,94.409 126.684,94.409 126.661,94.386 RN104.1@126.661,94.374
M2_E_UART_WAKE#: Designator1.20 TP4.1 | length 8.8
  L1-CU w0.254: Designator1.20@126.208,90.484 126.185,90.461 126.185,88.72 v1(126.136,88.671) 127.127,87.681 TP4.1@127.127,82.156
M2_E_W_DIS1: Designator1.56 TP2.1 | length 8.6
  L1-CU w0.254: Designator1.56@135.208,90.484 135.208,88.084 136.474,86.817 136.474,82.655 TP2.1@136.63,82.499
M2_E_W_DIS2: Designator1.54 TP3.1 | length 8.6
  L1-CU w0.254: TP3.1@134.01,82.296 134.174,82.296 134.747,82.869 134.747,87.732 134.708,87.771 Designator1.54@134.708,90.484
M2_M_ALERT#: J902.44 TP5.1 | length 18.6
  L1-CU w0.254: TP5.1@86.036,78.524 86.436,78.524 90.018,82.105 90.018,82.525 95.326,87.833 97.87,87.833 98.019,87.982 98.019,90.405 J902.44@98.003,90.421
M2_M_CLKREQ0#: J902.52 pad.180 | length 35.4
  L1-CU w0.254: v1(86.563,113.843) 87.565,114.845 87.946,114.845 88.5,115.399 pad.180@88.5,117 ; v1@99.593,94.082 100.003,93.672 J902.52@100.003,90.421
  L8-CU w0.254: v1(86.563,113.843) 86.665,113.843 87.135,114.313 87.795,114.313 97.485,104.623 98.937,104.623 99.085,104.474 99.085,97.511 99.619,96.977 v1(99.619,94.056)
M2_M_PERST#: J902.50 pad.181 | length 44.7
  L1-CU w0.254: pad.181@88.25,125.2 88.25,123.576 88.443,123.383 v1@88.443,119.736 ; v1(97.003,95.631) 99.503,93.131 J902.50@99.503,90.421
  L8-CU w0.254: v1(88.392,119.685) 85.725,119.685 83.922,117.881 83.922,109.119 92.607,100.434 92.607,100.027 v1(97.003,95.631)
M2_M_SMB_CLK: J902.40 TP7.1 | length 14.3
  L1-CU w0.254: TP7.1@86.055,83.337 88.875,83.337 94.463,88.925 96.295,88.925 96.98,89.61 96.98,90.398 J902.40@97.003,90.421
M2_M_SMB_DATA: J902.42 TP6.1 | length 16.2
  L1-CU w0.254: TP6.1@85.903,80.874 87.249,80.874 94.691,88.316 96.52,88.316 97.503,89.298 J902.42@97.503,90.421
MOD_SLEEP#: pad.178 TP8.1 | length 46.6
  L1-CU w0.254: TP8.1@76.683,78.867 76.34,78.867 75.767,79.44 75.767,79.782 72.898,82.652 72.898,91.948 88.24,107.29 88.24,112.166 89,112.927 pad.178@89,117
NetC102_1: C102.1 pad.172 | length 48
  L1-CU w0.249: C102.1@130.35,101.412 130.364,101.426 130.364,102.373 v1(130.378,102.387)
  L1-CU w0.254: pad.172@90.5,117 90.5,115.672 91.252,114.92 v1(91.358,114.92)
  L3-CU-PWR w0.102: v1(91.358,114.92) 91.375,114.903 91.375,114.527 95.945,109.957 v1(106.477,109.957)
  L6-CU w0.167: v1(106.477,109.957) 106.513,109.921 108.342,109.921 115.586,102.677 128.544,102.677 128.565,102.698 129.95,102.698 130.308,102.341 v1@130.397,102.341
NetC103_2: C103.2 Designator1.35 | length 3
  L1-CU w0.249: C103.2@128.769,100.579 129.958,99.39 Designator1.35@129.958,98.034
NetC106_2: C106.2 J902.49 | length 3.1
  L1-CU w0.249: J902.49@99.253,97.971 99.253,99.569 99.991,100.308 C106.2@99.991,100.752
NetC107_2: C107.2 J902.47 | length 2.9
  L1-CU w0.249: C107.2@98.418,100.752 98.418,100.308 98.753,99.973 J902.47@98.753,97.971
NetC108_2: C108.2 J902.37 | length 3.2
  L1-CU w0.254: J902.37@96.253,97.971 96.253,100.286 96.846,100.88 C108.2@96.846,100.913
NetC109_2: C109.2 J902.35 | length 3.2
  L1-CU w0.254: C109.2@95.274,100.946 95.274,100.912 95.753,100.433 J902.35@95.753,97.971
NetC110_2: C110.2 J902.25 | length 3.8
  L1-CU w0.249: J902.25@93.253,97.971 93.253,100.491 92.987,100.757 92.987,100.992 93.132,101.138 93.361,101.138 93.523,101.3 C110.2@93.523,101.31
NetC111_2: C111.2 J902.23 | length 3.8
  L1-CU w0.249: C111.2@91.95,101.337 91.95,101.326 92.112,101.164 92.341,101.164 92.487,101.019 92.487,100.55 92.753,100.284 J902.23@92.753,97.971
NetC112_2: C112.2 J902.13 | length 3.9
  L1-CU w0.249: C112.2@89.941,101.129 89.817,101.005 89.524,101.005 89.408,100.889 89.408,100.522 90.253,99.677 J902.13@90.253,97.971
NetC113_2: C113.2 J902.11 | length 3.9
  L1-CU w0.249: C113.2@88.369,101.057 88.78,101.057 88.859,100.978 88.859,100.295 89.753,99.401 J902.11@89.753,97.971
NetC198_1: C198.1 U903.2 | length 2
  L1-CU w0.254: C198.1@108.382,80.099 108.432,80.099 108.505,80.172 108.505,80.222 108.699,80.416 109.294,80.416 109.636,80.074 109.724,80.074 109.847,79.951 U903.2@110.013,79.951
NetC303_2: C303.2 U301.8 | length 1.4
  L1-CU w0.254: C303.2@151.965,100.813 151.986,100.813 152.594,100.205 153.054,100.205 U301.8@153.061,100.198
NetC304_1: C304.1 U301.1 | length 1.7
  L1-CU w0.254: C304.1@153.823,105.173 153.873,105.173 153.961,105.084 U301.1@153.961,103.598
NetC305_2: C305.2 U301.10 | length 1.6
  L1-CU w0.254: C305.2@153.885,97.753 153.885,99.055 153.961,99.132 U301.10@153.961,99.298
NetC306_1: C306.1 R303.2 | length 1.9
  L1-CU w0.254: 158.516,106.307 160.096,106.307 C306.1@160.296,106.108
NetC402_1: C402.1 U401.21 | length 4.3
  L1-CU w0.254: U401.21@50.023,97.748 50.139,97.632 50.256,97.632 50.407,97.481 50.407,97.364 50.675,97.096 C402.1@54,97.096
NetC404_2: C404.2 R402.1 | length 2.1
  L1-CU w0.254: C404.2@34.729,91.4 34.75,91.4 34.925,91.225 R402.1@36.8,91.225
NetC504_1: C504.1 U501.9 | length 3.7
  L1-CU w0.254: C504.1@34.7,78 34.7,78.9 35.2,79.4 U501.9@35.2,81.475
NetC511_1: C511.1 U502.26 | length 2.4
  L1-CU w0.2: 38.35,68.75 38.622,68.478 39.535,68.478 39.555,68.499 39.702,68.499 C511.1@39.802,68.599
  L1-CU w0.254: U502.26@37.6,68.75 38.35,68.75
NetC511_2: C511.2 U502.19 | length 7.2
  L1-CU w0.254: v1(35.5,65.6) U502.19@35.5,67.34 ; v1(39.243,67.412) 39.309,67.478 39.431,67.478 39.752,67.799 C511.2@39.802,67.799
  L4-CU w0.254: v1(35.5,65.6) 37.812,65.6 38.495,66.282 38.495,66.663 v1(39.243,67.412)
NetC512_1: C512.1 U502.4 | length 5.9
  L1-CU w0.2: U502.4@36.3,71.1 36.3,72.2 v1(36.3,72.6)
  L1-CU w0.254: v1(38.9,71.7) 38.931,71.731 38.931,72.381 39.4,72.85 C512.1@39.4,72.9
  L4-CU w0.254: v1(36.3,72.6) 38,72.6 v1(38.9,71.7)
NetC512_2: C512.2 U502.28 | length 7.1
  L1-CU w0.254: U502.28@37.6,69.65 37.627,69.677 38.204,69.677 38.443,69.916 40.651,69.916 40.651,69.842 40.8,69.694 v1(40.8,69.6) ; C512.2@40.2,72.9 40.2,72.85 40.669,72.381 v1(40.669,71.731)
  L4-CU w0.254: v1(40.669,71.731) 40.669,71.004 40.75,70.923 40.75,69.65 v1(40.8,69.6)
NetC513_2: C513.2 U502.24 | length 7.6
  L1-CU w0.254: U502.24@37.531,67.819 37.531,66.969 38.8,65.7 38.8,65.477 40.5,63.777 40.5,62.444 40.649,62.295 41.153,62.295 C513.2@41.346,62.102
NetC514_1: C514.1 C518.1 C520.1 C522.1 U502.29 | length 18.8
  L1-CU w0.254: U502.29@37.625,70.1 37.946,70.1 38.039,70.193 38.177,70.193 38.284,70.3 41.3,70.3 41.9,69.7 42.6,69.7 42.771,69.529 C514.1@42.771,68.2 42.771,67.529 43,67.3 43.751,67.3 43.9,67.151 43.9,64.675 44.1,64.475 45.848,64.475 C518.1@45.946,64.377 48.446,64.377 C520.1@48.546,64.277 ; C520.1@48.2,64.275 48.446,64.521 C522.1@50.803,64.521
NetC607_1: C607.1 U601.23 | length 5.4
  L1-CU w0.254: C607.1@74.7,63.157 74.7,63.136 74.971,62.865 75.093,62.865 75.243,62.714 75.243,61.689 74.7,61.146 74.7,60.9 74.93,60.67 75.544,60.67 75.78,60.905 76.394,60.905 76.545,60.754 76.545,60.661 76.565,60.641 76.565,60.309 U601.23@76.588,60.286
NetC611_1: C611.1 U603.15 | length 1.3
  L1-CU w0.254: U603.15@58.25,71.55 59.394,71.55 59.467,71.623 C611.1@59.467,71.673
NetC617_1: C617.1 U602.12 | length 3.4
  L1-CU w0.254: U602.12@74.237,41.125 74.26,41.102 74.698,41.102 76.025,39.775 C617.1@77.1,39.775
NetC620_1: C620.1 U603.12 | length 2.1
  L1-CU w0.254: U603.12@58.25,70.2 59.425,70.2 60.05,69.575 C620.1@60.05,69.5
NetC622_1: C622.1 U602.23 | length 4
  L1-CU w0.254: C622.1@68.417,46.269 69.47,46.269 71.252,44.486 71.252,44.06 U602.23@71.275,44.037
NetC622_2: C622.2 U602.24 | length 3
  L1-CU w0.254: C622.2@68.417,45.412 68.417,45.39 69.769,44.037 U602.24@70.825,44.037
NetC623_1: C623.1 U603.23 | length 2
  L1-CU w0.254: C623.1@54.529,74.8 54.55,74.8 55.288,74.062 U603.23@55.288,73.113
NetC911_1: C911.1 R906.2 | length 15.1
  L1-CU w0.254: v1(107.467,82.55) 107.493,82.575 108.128,82.575 C911.1@108.153,82.601 ; v1(110.465,72.009) 110.552,71.922 110.552,71.161 R906.2@110.72,70.993
  L4-CU w0.254: v1(107.467,82.55) 107.467,77.038 108.864,75.641 110.414,75.641 111.125,74.93 111.125,74.016 110.465,73.355 v1(110.465,72.009)
NetC912_1: C912.1 R907.2 | length 2
  L1-CU w0.254: C912.1@116.197,77.569 116.22,77.546 116.22,75.614 R907.2@116.244,75.59
NetC913_2: C913.2 Y901.4 | length 1.9
  L1-CU w0.254: C913.2@92.146,70.999 92.146,71.019 92.327,71.2 Y901.4@93.95,71.2
NetC914_2: C914.2 Y901.2 | length 1.7
  L1-CU w0.254: Y901.2@95.65,73.4 C914.2@95.65,75.122
NetC919_1: C919.1 U903.14 | length 3
  L1-CU w0.254: U903.14@113.863,79.951 114.67,79.951 114.831,80.112 115.672,80.112 115.754,80.029 C919.1@116.764,80.029
NetD101_1: D101.1 J902.10 | length 6.2
  L1-CU w0.254: D101.1@85.242,87.047 85.597,87.401 87.351,87.401 89.48,89.53 89.48,90.398 J902.10@89.503,90.421
NetD101_2: D101.2 R106.2 | length 2.2
  L1-CU w0.254: D101.2@85.242,85.547 85.265,85.524 R106.2@87.452,85.524
NetD102_2: D102.2 R104.1 | length 1.5
  L1-CU w0.254: R104.1@117.487,85.702 117.487,85.724 118.25,86.487 D102.2@118.523,86.76
NetD103_2: D103.2 R105.1 | length 2.3
  L1-CU w0.254: D103.2@121.13,85.109 122.376,86.355 R105.1@122.885,86.355
NetD402_2: D402.2 R409.1 | length 2.1
  L1-CU w0.254: R409.1@27.1,121.125 D402.2@27.1,123.25
NetD501_2: D501.2 R514.1 | length 3.1
  L1-CU w0.254: D501.2@46.15,69.9 49.025,69.9 R514.1@49.2,69.725